# Altium PCB UZ_A_MAX11331_Daughter.PcbDoc (part 2 of 7)
Units mil, origin at the board's own origin, x right, y up, seen from the top; angles counter-clockwise.
Board outline 6811.03 x 3937.01 mil, 6 copper layers (Top Layer, GND, Signal 1, Signal 2, VCC, Bottom Layer), stack 32.112 mil thick; 537 components, 329 nets, 1705 pads, 572 vias.
Unrouted connection lines stored in the file: 272.
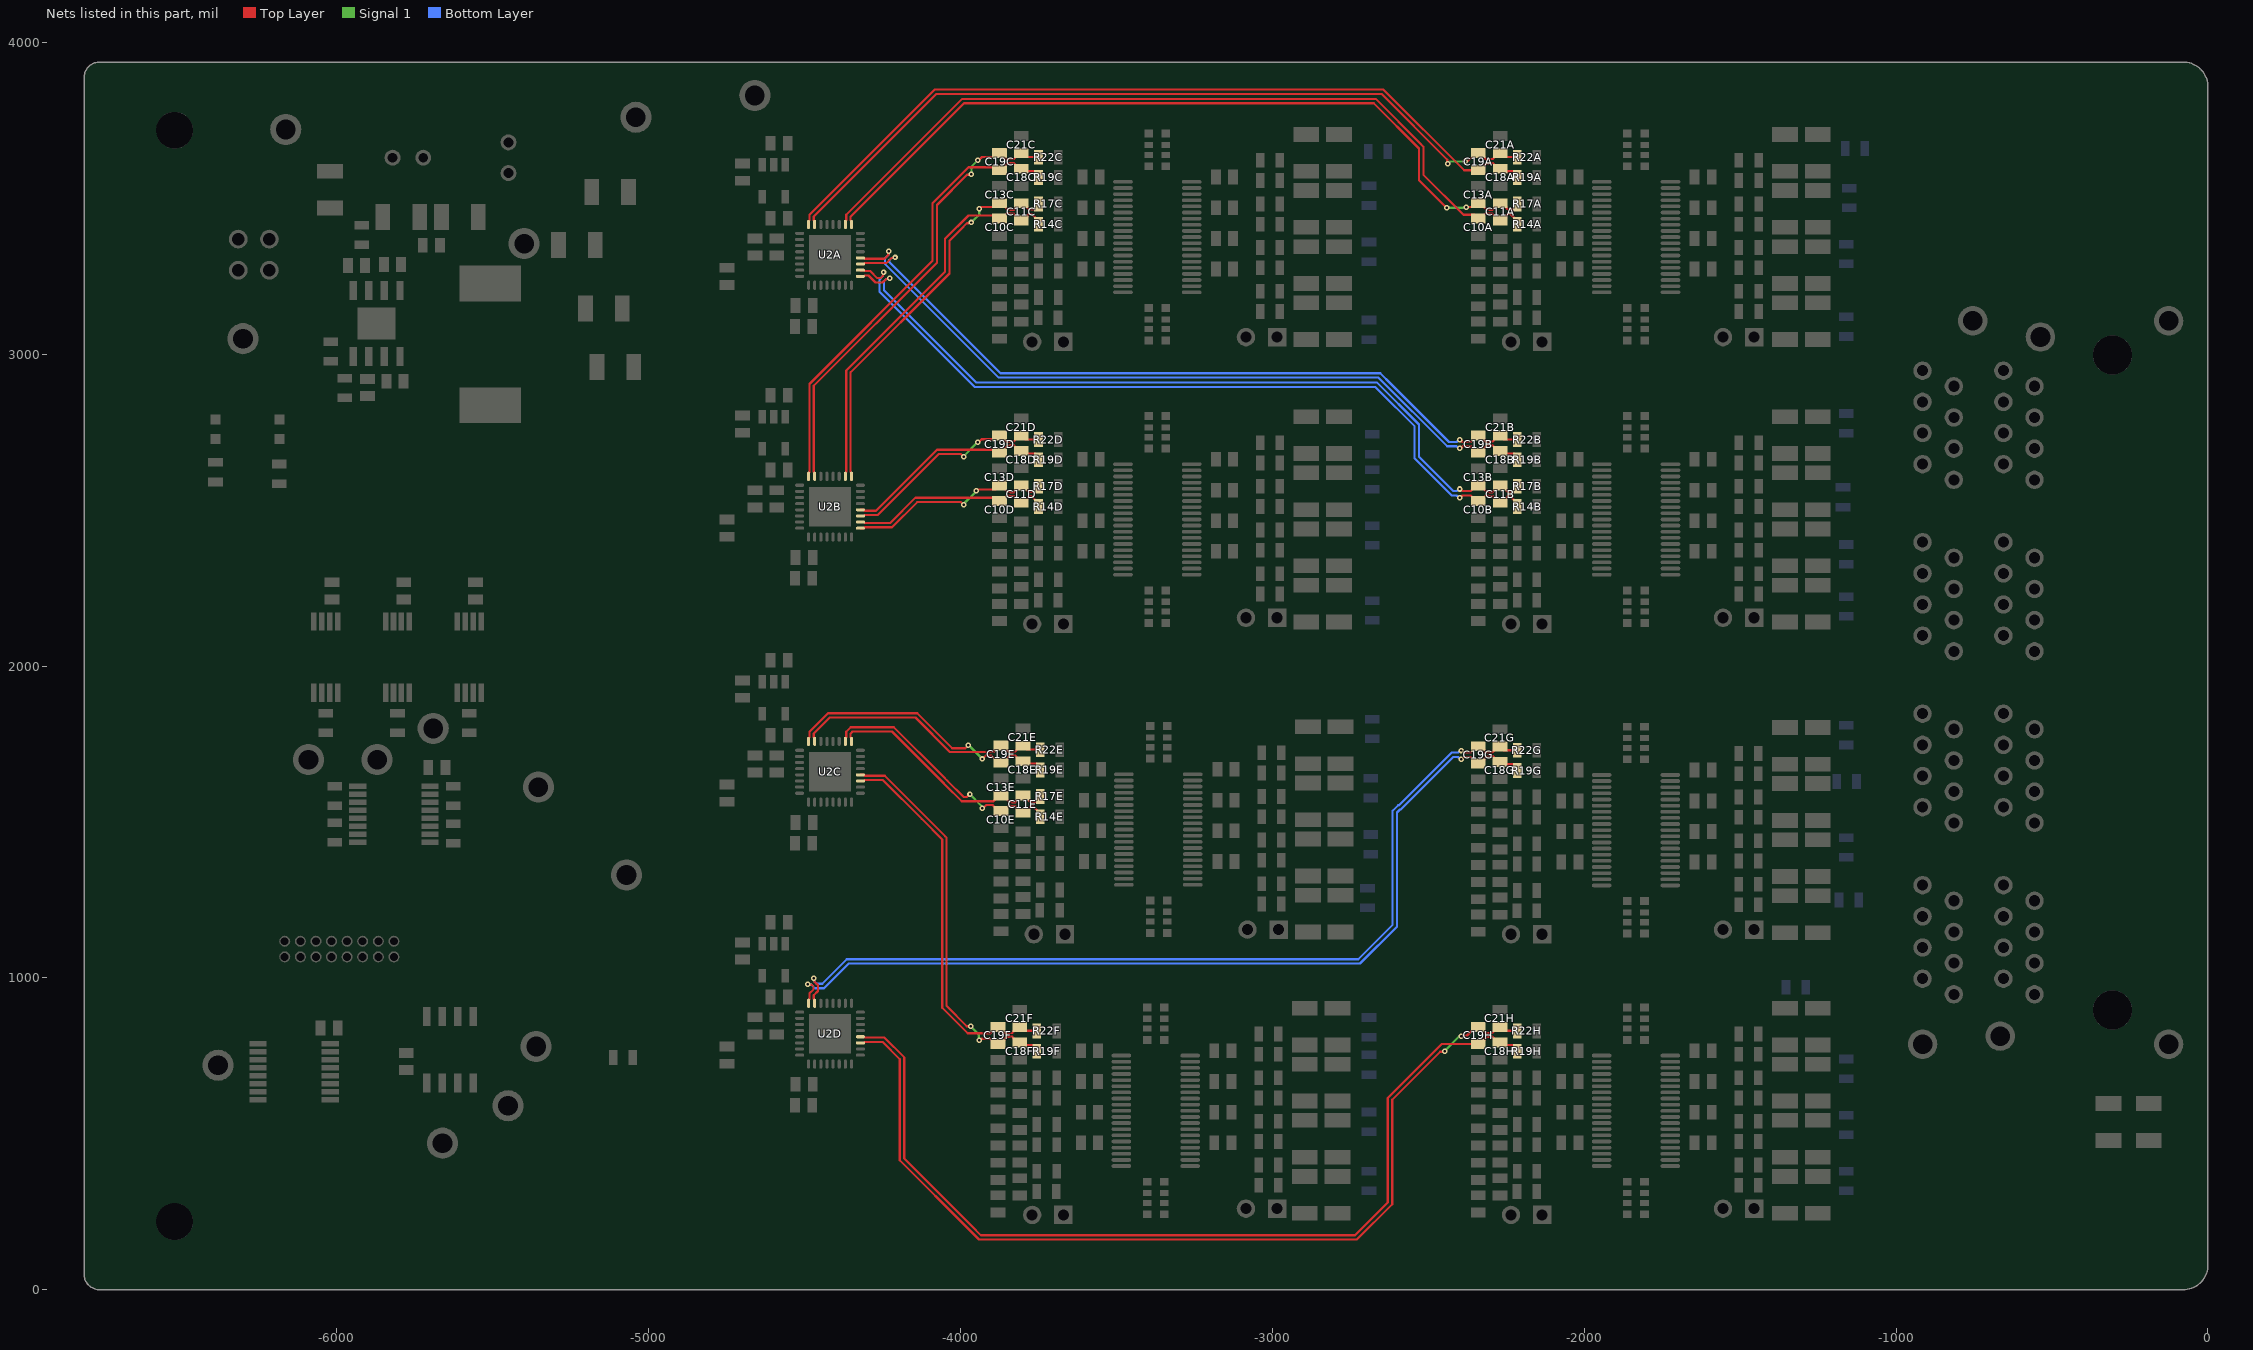
[diagram p6: the nets of this part, all layers, seen from the top]

## Components (designator, comment, footprint, x,y, rotation, side; value= is the part's Value field where it differs from the comment) (continued)
R19C "48.7" RES_0603 -3750.24,3567.05 r90 top (schematic designator R19)
R19D "48.7" RES_0603 -3750.24,2661.54 r90 top (schematic designator R19)
R19E "48.7" RES_0603 -3745.23,1667.05 r90 top (schematic designator R19)
R19F "48.7" RES_0603 -3755.28,765 r90 top (schematic designator R19)
R19G "48.7" RES_0603 -2215.28,1665 r90 top (schematic designator R19)
R19H "48.7" RES_0603 -2215.28,765 r90 top (schematic designator R19)
R20A "24.3k" RES_0603 -1503.94,3557.05 r90 top (schematic designator R20)
R20B "24.3k" RES_0603 -1503.94,2651.54 r90 top (schematic designator R20)
R20C "24.3k" RES_0603 -3039.38,3557.05 r90 top (schematic designator R20)
R20D "24.3k" RES_0603 -3039.38,2651.54 r90 top (schematic designator R20)
R20E "24.3k" RES_0603 -3034.37,1657.05 r90 top (schematic designator R20)
R20F "24.3k" RES_0603 -3044.41,755 r90 top (schematic designator R20)
R20G "24.3k" RES_0603 -1504.41,1655 r90 top (schematic designator R20)
R20H "24.3k" RES_0603 -1504.41,755 r90 top (schematic designator R20)
R21A "160R" RES_1206 -1355.95,3587.05 r0 top (schematic designator R21)
R21B "160R" RES_1206 -1355.95,2681.54 r0 top (schematic designator R21)
R21C "160R" RES_1206 -2891.38,3587.05 r0 top (schematic designator R21)
R21D "160R" RES_1206 -2891.38,2681.54 r0 top (schematic designator R21)
R21E "160R" RES_1206 -2886.38,1687.05 r0 top (schematic designator R21)
R21F "160R" RES_1206 -2896.42,785 r0 top (schematic designator R21)
R21G "160R" RES_1206 -1356.42,1685 r0 top (schematic designator R21)
R21H "160R" RES_1206 -1356.42,785 r0 top (schematic designator R21)
R22A "48.7" RES_0603 -2214.81,3632.05 r90 top (schematic designator R22)
R22B "48.7" RES_0603 -2214.81,2726.54 r90 top (schematic designator R22)
R22C "48.7" RES_0603 -3750.24,3632.05 r90 top (schematic designator R22)
R22D "48.7" RES_0603 -3750.24,2726.54 r90 top (schematic designator R22)
R22E "48.7" RES_0603 -3745.23,1732.05 r90 top (schematic designator R22)
R22F "48.7" RES_0603 -3755.28,830 r90 top (schematic designator R22)
R22G "48.7" RES_0603 -2215.28,1730 r90 top (schematic designator R22)
R22H "48.7" RES_0603 -2215.28,830 r90 top (schematic designator R22)
R23A "24.3k" RES_0603 -1503.94,3622.05 r90 top (schematic designator R23)
R23B "24.3k" RES_0603 -1503.94,2716.54 r90 top (schematic designator R23)
R23C "24.3k" RES_0603 -3039.38,3622.05 r90 top (schematic designator R23)
R23D "24.3k" RES_0603 -3039.38,2716.54 r90 top (schematic designator R23)
R23E "24.3k" RES_0603 -3034.37,1722.05 r90 top (schematic designator R23)
R23F "24.3k" RES_0603 -3044.41,820 r90 top (schematic designator R23)
R23G "24.3k" RES_0603 -1504.41,1720 r90 top (schematic designator R23)
R23H "24.3k" RES_0603 -1504.41,820 r90 top (schematic designator R23)
R24 "0" RES_0603 -5051.42,745 r270 top
R25 "100R" RES_0603 -6007.57,1614.57 r0 top
R26 "100R" RES_0603 -6007.57,1434.57 r180 top
R27 "100R" RES_0603 -5627.57,1431.58 r180 top
R28 "10k" RES_0603 -6035.99,1848.86 r0 top
R29 "10k" RES_0603 -5805.99,1848.86 r0 top
R30 "10k" RES_0603 -5575.99,1848.86 r0 top
R31 "2.2M" RES_0603 -5920.24,3350.87 r180 top
R32 "100k" RES_0603 -5975,2923.7 r0 top
R33 "38.3k" RES_0603 -6020,3039.99 r0 top
R36 "220" RES_0603 -6185,2585 r180 top
R37 "100R" RES_0603 -5627.57,1614.57 r0 top
R38 "20k" RES_0603 -6389.69,2653.39 r0 top
R39A "0" RES_0603 -1160,3120 r180 bottom (schematic designator R39)
R39B "0" RES_0603 -1160,2222.99 r180 bottom (schematic designator R39)
R39C "0" RES_0603 -2690,3110 r180 bottom (schematic designator R39)
R39D "0" RES_0603 -2680,2210 r180 bottom (schematic designator R39)
R39E "0" RES_0603 -2695,1225 r0 bottom (schematic designator R39)
R39F "0" RES_0603 -2690,317.01 r0 bottom (schematic designator R39)
R39G "0" RES_0603 -1182.99,1250 r270 bottom (schematic designator R39)
R39H "0" RES_0603 -1160,317.01 r0 bottom (schematic designator R39)
R40A "0" RES_0603 -1160,3290 r0 bottom (schematic designator R40)
R40B "0" RES_0603 -1160,2390 r180 bottom (schematic designator R40)
R40C "0" RES_0603 -2690,3297.01 r0 bottom (schematic designator R40)
R40D "0" RES_0603 -2680,2387.01 r0 bottom (schematic designator R40)
R40E "0" RES_0603 -2684.99,1397.01 r0 bottom (schematic designator R40)
R40F "0" RES_0603 -2690,507.01 r0 bottom (schematic designator R40)
R40G "0" RES_0603 -1160,1387.01 r0 bottom (schematic designator R40)
R40H "0" RES_0603 -1160,497.01 r0 bottom (schematic designator R40)
R41A "0" RES_0603 -1150,3470 r0 bottom (schematic designator R41)
R41B "0" RES_0603 -1170,2572.99 r180 bottom (schematic designator R41)
R41C "0" RES_0603 -2690,3477.01 r0 bottom (schematic designator R41)
R41D "0" RES_0603 -2680,2567.01 r0 bottom (schematic designator R41)
R41E "0" RES_0603 -2684.99,1577.01 r0 bottom (schematic designator R41)
R41F "0" RES_0603 -2690,690 r0 bottom (schematic designator R41)
R41G "0" RES_0603 -1190,1630 r270 bottom (schematic designator R41)
R41H "0" RES_0603 -1160,677.01 r0 bottom (schematic designator R41)
R42A "0" RES_0603 -1162.99,3660 r270 bottom (schematic designator R42)
R42B "0" RES_0603 -1160,2747.01 r0 bottom (schematic designator R42)
R42C "0" RES_0603 -2692.99,3650 r270 bottom (schematic designator R42)
R42D "0" RES_0603 -2680,2742.99 r180 bottom (schematic designator R42)
R42E "0" RES_0603 -2680,1767.01 r0 bottom (schematic designator R42)
R42F "0" RES_0603 -2690,872.99 r180 bottom (schematic designator R42)
R42G "0" RES_0603 -1160,1747.01 r0 bottom (schematic designator R42)
R42H "0" RES_0603 -1352.99,970 r270 bottom (schematic designator R42)
REF1A "VREF 3.3V/1.65V" SOT-23-5 -4599.34,3556.34 r90 top (schematic designator REF1)
REF1B "VREF 3.3V/1.65V" SOT-23-5 -4599.34,2748.54 r90 top (schematic designator REF1)
REF1C "VREF 3.3V/1.65V" SOT-23-5 -4599.34,1898.54 r90 top (schematic designator REF1)
REF1D "VREF 3.3V/1.65V" SOT-23-5 -4599.34,1058.54 r90 top (schematic designator REF1)
Serial "Serialnumber 6,3 x 6.3mm" SERIAL_6.3X6.3MM -813,255.91 r180 top
TP1 "VIN" TP_1.6MM -6164.34,3720.94 r0 top
TP2 "VCC" TP_1.6MM -5400,3355 r0 top
TP3 "DGND" TP_1.6MM -5354,1612 r0 top
TP4 "GND" TP_1.6MM -6301.42,3050 r0 top
TP5 "AGND" TP_1.6MM -5041.42,3760 r0 top
TP6 "SCLK" TP_1.6MM -6091.42,1700 r0 top
TP7 "SCLKRTN" TP_1.6MM -5361.42,780 r0 top
TP8 "MISO1" TP_1.6MM -5071.42,1330 r90 top
TP9 "MISO2" TP_1.6MM -6381.42,720 r90 top
TP10 "MISO3" TP_1.6MM -5451.42,590 r0 top
TP11 "MOSI" TP_1.6MM -5871.42,1700 r0 top
TP12 "MISO4" TP_1.6MM -5661.42,470 r0 top
TP13 "CS" TP_1.6MM -5691.42,1800 r90 top
TP14 "AVCC" TP_1.6MM -4660,3830 r0 top
U1A "THS4524" "THS4524 FOOTPRINT" -1833.71,3375.83 r180 top (schematic designator U1)
U1B "THS4524" "THS4524 FOOTPRINT" -1833.71,2470.31 r180 top (schematic designator U1)
U1C "THS4524" "THS4524 FOOTPRINT" -3369.14,3375.83 r180 top (schematic designator U1)
U1D "THS4524" "THS4524 FOOTPRINT" -3369.14,2470.31 r180 top (schematic designator U1)
U1E "THS4524" "THS4524 FOOTPRINT" -3366.16,1475.83 r180 top (schematic designator U1)
U1F "THS4524" "THS4524 FOOTPRINT" -3374.18,573.78 r180 top (schematic designator U1)
U1G "THS4524" "THS4524 FOOTPRINT" -1834.18,1473.78 r180 top (schematic designator U1)
U1H "THS4524" "THS4524 FOOTPRINT" -1834.18,573.78 r180 top (schematic designator U1)
U2A "MAX11331" "32-TQFN-EP (5X5)" -4418.86,3318.9 r180 top (schematic designator U2)
U2B "MAX11331" "32-TQFN-EP (5X5)" -4418.86,2511.1 r180 top (schematic designator U2)
U2C "MAX11331" "32-TQFN-EP (5X5)" -4418.86,1661.1 r180 top (schematic designator U2)
U2D "MAX11331" "32-TQFN-EP (5X5)" -4418.86,821.1 r180 top (schematic designator U2)
U3 "Quad LVDS reciever" TSOP65P640X120-16N -5817.57,1524.57 r0 top
U4 "Clock buffer" TSOP65P640X120-8N -6035.99,2028.86 r90 top
U5 "Clock buffer" TSOP65P640X120-8N -5805.99,2028.86 r90 top
U6 "Quad LVDS driver" TSOP65P640X120-16N -6137.57,699.57 r0 top
U7 "Clock buffer" TSOP65P640X120-8N -5575.99,2028.86 r90 top
U8 "Single LVDS driver" SOIC127P600X170_HS-9N_NO_THP -5637.57,769.57 r90 top
U9 "buck converter" SOIC127P600X170_HS-9N -5873,3098.9 r270 top
X1 "IPL1-102-01-L-D-K" IPL1-102-01-L-D-K -6266.7,3319.37 r180 top
X2 "2x8 Pin" EHF-108-01-F-D -5992.57,1092.57 r0 top

## Footprints (in the part's own frame and the unit in brackets; to place one, negate y for a bottom-side part, rotate by r counter-clockwise, add the part's x,y. Pads: shape width x height; smd on the part's side, far side on the other; paste and mask are expansions set on the pad)
"32-TQFN-EP (5X5)" [mm] "QFN, 32-Leads with exposed die pad, Body 5.1x5.1mm (max), Pitch 0.50mm, IPC Medium Density"
  oval 0.75x0.25 smd mask+0.075: 1(-2.475,1.75) 2(-2.475,1.25) 3(-2.475,0.75) 4(-2.475,0.25) 5(-2.475,-0.25) 6(-2.475,-0.75) 7(-2.475,-1.25) 8(-2.475,-1.75) 17(2.475,-1.75) 18(2.475,-1.25) 19(2.475,-0.75) 20(2.475,-0.25) 21(2.475,0.25) 22(2.475,0.75) 23(2.475,1.25) 24(2.475,1.75)
  oval 0.25x0.75 smd mask+0.075: 9(-1.75,-2.475) 10(-1.25,-2.475) 11(-0.75,-2.475) 12(-0.25,-2.475) 13(0.25,-2.475) 14(0.75,-2.475) 15(1.25,-2.475) 16(1.75,-2.475) 25(1.75,2.475) 26(1.25,2.475) 27(0.75,2.475) 28(0.25,2.475) 29(-0.25,2.475) 30(-0.75,2.475) 31(-1.25,2.475) 32(-1.75,2.475)
  rect 3.4x3.2 smd paste-1.7: 33(0,0)
  Top Layer region: -0.076,-1.6 -0.276,-1.8 -1.673,-1.8 -1.673,-1.6
  Top Layer region: 1.6,-1.8 1.8,-1.6 1.8,1.8 1.6,1.8
  Top Layer region: 0.584,-1.6 0.784,-1.8 1.8,-1.8 1.8,-1.6
  Top Layer region: -1.6,1.8 -1.8,1.6 -1.8,-1.8 -1.6,-1.8
  Top Layer region: -1.8,1.6 -1.6,1.8 1.8,1.8 1.8,1.6
  Top Layer region: -0.203,-1.6 -0.203,-1.702 0.711,-1.702 0.711,-1.6
  silkscreen extent -2.6,-2.6 2.6,2.6, body extent -2.54,-2.54 2.55,2.55, height 0.8
CAC-80P320X160-8N [mm] "Chip Array, ConvexS, 8-Leads, Pitch 0,80mm,  Body 3,20x1,60mm,  IPC Medium Density"
  rect 0.7x0.64 smd: 1(-0.7,1.325) 4(-0.7,-1.325) 5(0.7,-1.325) 8(0.7,1.325)
  rect 0.7x0.5 smd: 2(-0.7,0.4) 3(-0.7,-0.4) 6(0.7,-0.4) 7(0.7,0.4)
  silkscreen extent -1.57,1.7 -1.32,1.96, body extent -0.8,-1.65 0.8,1.65, height 0.45
CAP_0603 [mm] "CAP CER 0603"
  rect 1.2x0.8 smd: 1(0,0) 2(0,-1.4)
  silkscreen extent -0.76,-1.96 0.76,0.56, body extent -0.4,-1.46 0.4,0.14, height 0.4
EHF-108-01-F-D [mm]
  round 0.9 hole 0.65: 1(-4.445,-0.635) 2(-4.445,0.635) 3(-3.175,-0.635) 4(-3.175,0.635) 5(-1.905,-0.635) 6(-1.905,0.635) 7(-0.635,-0.635) 8(-0.635,0.635) 9(0.635,-0.635) 10(0.635,0.635) 11(1.905,-0.635) 12(1.905,0.635) 13(3.175,-0.635) 14(3.175,0.635) 15(4.445,-0.635) 16(4.445,0.635)
  silkscreen extent -12.19,-3.3 12.19,3.3, body extent -12.32,-3.34 12.32,3.34, height 11.3
ESD_OVERLAY_MEDIUM [mil]
  silkscreen extent -127,-109 125,110
Fiducial_1.7mm [mil] "Fiducial"
  Top Layer region: 0,-39.57 -15.14,-36.55 -27.98,-27.98 -36.55,-15.14 -39.57,0 -39.57,0 -36.55,15.14 -27.98,27.98 -15.14,36.55 0,39.57 0,39.57 15.14,36.55 27.98,27.98 36.55,15.14 39.57,0 39.57,0 36.55,-15.14 27.98,-27.98 15.14,-36.55 0,-39.57
  Top Layer pour cut-out: 0,-66.96 -25.62,-61.86 -47.35,-47.35 -61.86,-25.62 -66.96,0 -66.96,0 -61.86,25.62 -47.35,47.35 -25.62,61.86 0,66.96 0,66.96 25.62,61.86 47.35,47.35 61.86,25.62 66.96,0 66.96,0 61.86,-25.62 47.35,-47.35 25.62,-61.86 0,-66.96
  body extent -67,-67 67,67, height 39
HDR1X2 [mm] "Connector; Header; 2 Position"
  rect 1.5x1.5 hole 0.9: 1(0,0)
  round 1.5 hole 0.9: 2(2.54,0)
  silkscreen extent -1.27,-1.27 3.81,1.27
ID_PROJECTREV [mil] "project name + revision number"
IPL1-102-01-L-D-K [mil]
  round 60 hole 40 mask+3: 1(-50,50) 2(50,50) 3(-50,-50) 4(50,-50)
  silkscreen extent -150,-185 150,165, body extent -130,-165 130,145, height 320
"LOGO G.S.OHM UNIVERSITY" [mil] "9.5 x 12.6 mm"
  silkscreen extent -146,-138 151,158
"LOGO TUM" [mil] "9.5 x 12.6 mm"
  silkscreen extent -231,-133 228,110
"LOGO USACH" [mil] "9.5 x 12.6 mm"
  silkscreen extent -178,-234 200,260
"MOUNTING HOLE" [mm] "3mm"
  round 3 hole 3 unplated mask+0: 1(0,0)
RES_0603 [mm] "RES 0603"
  rect 1.2x0.7 smd: 1(0,0) 2(0,-1.6)
  silkscreen extent -0.76,-2.11 0.76,0.51, body extent -0.45,-1.59 0.45,0.01, height 0.5
RES_1206 [mm] "RES 1206"
  rect 2.1x1.2 smd: 1(0,0) 2(0,3)
  silkscreen extent -1.22,-0.76 1.22,3.76, body extent -0.8,-0.08 0.8,3.12, height 0.6
"RJ45 - 4X2" [mm] "P/N: 1-1734715-2"
  round 1.5 hole 0.9: A1(-25.4,0.902) A2(-24.13,3.442) A3(-22.86,0.902) A4(-21.59,3.442) A5(-20.32,0.902) A6(-19.05,3.442) A7(-17.78,0.902) A8(-16.51,3.442) B1(-11.43,0.902) B2(-10.16,3.442) B3(-8.89,0.902) B4(-7.62,3.442) B5(-6.35,0.902) B6(-5.08,3.442) B7(-3.81,0.902) B8(-2.54,3.442) C1(2.54,0.902) C2(3.81,3.442) C3(5.08,0.902) C4(6.35,3.442) C5(7.62,0.902) C6(8.89,3.442) C7(10.16,0.902) C8(11.43,3.442) D1(16.51,0.902) D2(17.78,3.442) D3(19.05,0.902) D4(20.32,3.442) D5(21.59,0.902) D6(22.86,3.442) D7(24.13,0.902) D8(25.4,3.442) E1(25.4,10.02) E2(24.13,7.48) E3(22.86,10.02) E4(21.59,7.48) E5(20.32,10.02) E6(19.05,7.48) E7(17.78,10.02) E8(16.51,7.48) F1(11.43,10.02) F2(10.16,7.48) F3(8.89,10.02) F4(7.62,7.48) F5(6.35,10.02) F6(5.08,7.48) F7(3.81,10.02) F8(2.54,7.48) G1(-2.54,10.02) G2(-3.81,7.48) G3(-5.08,10.02) G4(-6.35,7.48) G5(-7.62,10.02) G6(-8.89,7.48) G7(-10.16,10.02) G8(-11.43,7.48) H1(-16.51,10.02) H2(-17.78,7.48) H3(-19.05,10.02) H4(-20.32,7.48) H5(-21.59,10.02) H6(-22.86,7.48) H7(-24.13,10.02) H8(-25.4,7.48)
  round 2.4 hole 1.6: S1(-29.464,10.02) S2(-28.804,3.696) S3(-29.464,-10.02) S4(29.464,-10.02) S5(28.143,0.419) S6(29.464,5.931)
  round 3.2 hole 3.2 unplated: ""(-26.67,-5.448) ""(26.67,-5.448)
  silkscreen extent -29.59,-8.51 29.68,12.35, body extent -30.27,-16.25 30.38,12.35, height 27.35
SERIAL_6.3X6.3MM [mil]
  silkscreen extent -130,-130 130,130
SMT_inductor_1050_Performance [mm] "SMD Shielded Power Inductor, 2-leads, body 10.3x10.5mm"
  rect 5x2.9 smd: 1(0,4.95) 2(0,-4.95)
  silkscreen extent -6.1,-6.35 6.15,6.35, body extent -6.15,-6.15 6.15,6.15, height 10.16
SOIC127P600X170_HS-9N [mm] "SOIC, 8-Leads, Body 4,90x3,90mm, Pitch 1,27mm, Thermal Pad 3,10x2,60mm, IPC Medium Density"
  rect 1.55x0.6 smd: 1(-2.7,1.905) 2(-2.7,0.635) 3(-2.7,-0.635) 4(-2.7,-1.905) 5(2.7,-1.905) 6(2.7,-0.635) 7(2.7,0.635) 8(2.7,1.905)
  rect 2.6x3.1 smd: 9(0,0)
  silkscreen extent -2.82,-2.5 1.6,2.88, body extent -3,-2.45 3,2.45, height 1.75
SOIC127P600X170_HS-9N_NO_THP [mm] "SOIC, 8-Leads, Body 4,90x3,90mm, Pitch 1,27mm, Thermal Pad 3,10x2,60mm, IPC Medium Density"
  rect 1.55x0.6 smd: 1(-2.7,1.905) 2(-2.7,0.635) 3(-2.7,-0.635) 4(-2.7,-1.905) 5(2.7,-1.905) 6(2.7,-0.635) 7(2.7,0.635) 8(2.7,1.905)
  silkscreen extent -2.82,-2.5 1.6,2.88, body extent -2.99,-2.46 3.01,2.44, height 1.75
SOT-23-5 [mm] "SOT353, 5-Leads, Body 2x1.3mm, Pitch 0.65mm, Lead Span 2.1mm, IPC Medium Density"
  rect 1.1x0.6 smd: 1(1.3,-0.95) 2(1.3,0) 3(1.3,0.95) 4(-1.3,0.95) 5(-1.3,-0.95)
  silkscreen extent -0.55,-1.83 1.42,1.32, body extent -1.25,-1.56 1.25,1.44, height 1.06
"THS4524 FOOTPRINT" [mm] "THS4524 4Ch Dif Amp, TSSOP"
  oval 1.6x0.3 smd mask+0.05: 1(-2.8,4.5) 2(-2.8,4) 3(-2.8,3.5) 4(-2.8,3) 5(-2.8,2.5) 6(-2.8,2) 7(-2.8,1.5) 8(-2.8,1) 9(-2.8,0.5) 10(-2.8,0) 11(-2.8,-0.5) 12(-2.8,-1) 13(-2.8,-1.5) 14(-2.8,-2) 15(-2.8,-2.5) 16(-2.8,-3) 17(-2.8,-3.5) 18(-2.8,-4) 19(-2.8,-4.5) 20(2.8,-4.5) 21(2.8,-4) 22(2.8,-3.5) 23(2.8,-3) 24(2.8,-2.5) 25(2.8,-2) 26(2.8,-1.5) 27(2.8,-1) 28(2.8,-0.5) 29(2.8,0) 30(2.8,0.5) 31(2.8,1) 32(2.8,1.5) 33(2.8,2) 34(2.8,2.5) 35(2.8,3) 36(2.8,3.5) 37(2.8,4) 38(2.8,4.5)
  silkscreen extent -2.93,-4.9 1.8,5.32, body extent -3.2,-4.85 3.2,4.85, height 1.2
TP_1.6MM [mm]
  round 2.54 hole 1.6: 1(0,0)
  body extent -1.59,-1.66 1.59,1.51, height 5.74
TSOP65P640X120-8N [mm] "TSOP, 8-Leads, Body 3,00x4,40mm, Pitch 0,65mm, IPC Medium Density"
  rect 1.5x0.45 smd: 1(-2.9,0.975) 2(-2.9,0.325) 3(-2.9,-0.325) 4(-2.9,-0.975) 5(2.9,-0.975) 6(2.9,-0.325) 7(2.9,0.325) 8(2.9,0.975)
  silkscreen extent -3.02,-1.55 1.85,1.87, body extent -3.2,-1.5 3.2,1.5, height 1.2
TSOP65P640X120-16N [mm] "TSOP, 16-Leads, Body 5,00x4,40mm, Pitch 0,65mm, IPC Medium Density"
  rect 1.4x0.45 smd: 1(-2.95,2.275) 2(-2.95,1.625) 3(-2.95,0.975) 4(-2.95,0.325) 5(-2.95,-0.325) 6(-2.95,-0.975) 7(-2.95,-1.625) 8(-2.95,-2.275) 9(2.95,-2.275) 10(2.95,-1.625) 11(2.95,-0.975) 12(2.95,-0.325) 13(2.95,0.325) 14(2.95,0.975) 15(2.95,1.625) 16(2.95,2.275)
  silkscreen extent -3.07,-2.55 1.85,3.17, body extent -3.2,-2.5 3.2,2.5, height 1.1
WCAP-ATG8_6.3X11 [mm] "Aluminum Electrolytic Capacitors, 6.3x11mm"
  round 1.3 hole 0.8: 1(-1.25,0) 2(1.25,0)
  silkscreen extent -3.4,-3.4 3.4,3.4, body extent -3.14,-3.15 3.15,3.15, height 11.31
WL-SMCW_0603_H=0.7mm [mm] "SMD Mono-color Chip LED, body 1.6x0.8mm"
  rect 0.8x0.8 smd: 1(-0.8,0) 2(0.8,0)
  silkscreen extent -1.4,-0.65 1.4,0.65, body extent -0.8,-0.4 0.8,0.4, height 0.7
